# Altium PCB SLIU_648352_008.PcbDoc (part 4 of 4)
Units mm, origin at the board's own origin, x right, y up, seen from the top; angles counter-clockwise.
Board outline 200 x 140 mm, 5 copper layers (Top Layer, gnd, Case, PITANIE, Bottom Layer), stack 2.01 mm thick; 379 components, 284 nets, 1711 pads, 392 vias.
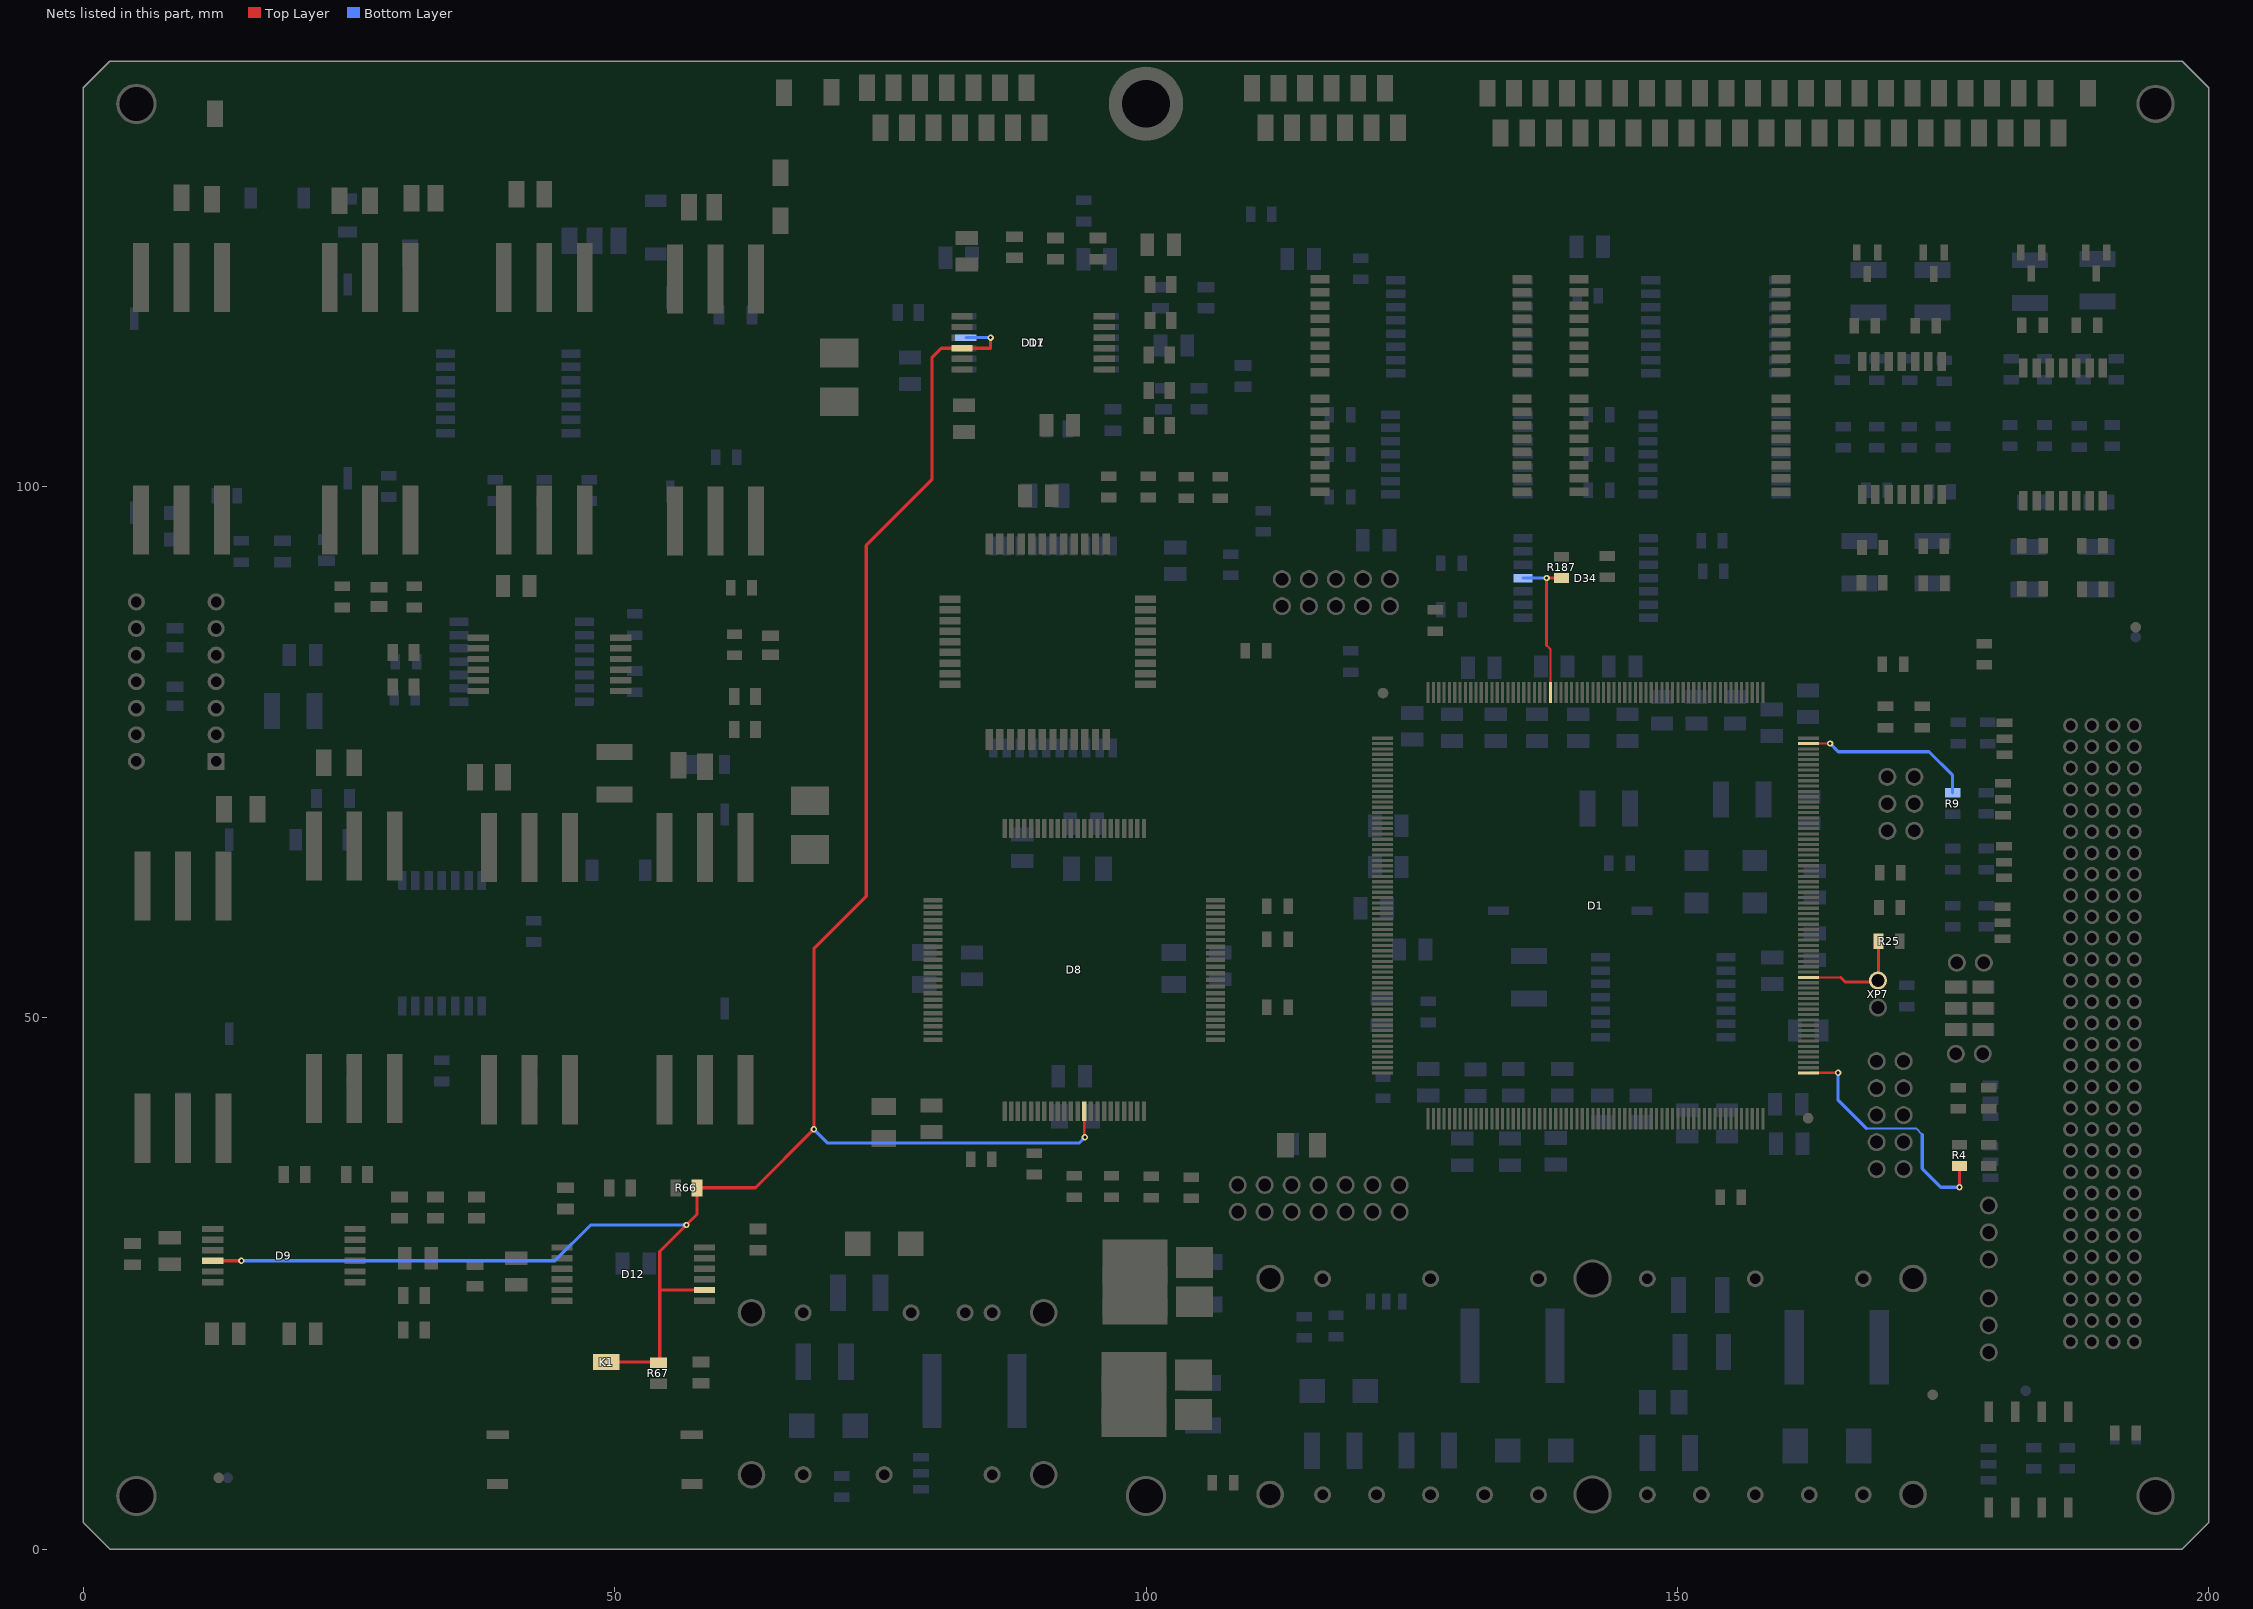
[diagram p7: the nets of this part, all layers, seen from the top]

## Via types
v1: diameter 0.6, hole 0.3, Top Layer to Bottom Layer, 392 vias

## Nets (pads, with @x,y where several pads share a name; then routed paths per layer and width w, separated by ;. In a path a pad name is that pad's centre, name@x,y a point inside that pad or via, vN(x,y) a via of type N, cw(c..) or ccw(c..) an arc to the next point about the centre after c; other vN are vias at no path point) (continued)
TSTO2: D1.105 D34.4 R187.1 | length 14.5
  Top Layer w0.2: 137.7,85.05 138.05,84.7 D1.105@138.05,80.6
  Top Layer w0.3: 137.7,85.05 v1(137.7,91.375) R187.1@139.1,91.375
  Bottom Layer w0.3: D34.4@135.475,91.375 137.4,91.375 v1(137.7,91.375)
TX1: D1.1 R4.2 | length 24.1
  Top Layer w0.2: D1.1@162.35,44.8 162.375,44.825 v1(165.125,44.825)
  Top Layer w0.3: v1(176.55,34.05) R4.2@176.55,36.05
  Bottom Layer w0.2: 167.78,39.585 172.465,39.585 173.05,39
  Bottom Layer w0.3: v1(165.125,44.825) 165.125,42.24 167.78,39.585 ; 173.05,39 173.05,35.8 174.8,34.05 v1(176.55,34.05)
TX2: D1.63 R9.2 | length 16.4
  Top Layer w0.2: D1.63@162.35,75.8 v1(164.375,75.8)
  Bottom Layer w0.3: v1(164.375,75.8) 165.15,75.025 173.675,75.025 175.9,72.8 R9.2@175.9,71.15
UPR1: D1.19 R25.1 XP7.2 | length 10.6
  Top Layer w0.2: D1.19@162.35,53.8 165.35,53.8
  Top Layer w0.3: 165.35,53.8 165.775,53.375 168.88,53.375 168.975,53.47 168.925,53.52 R25.1@168.925,57.2
VREF: D7.5 D8.13 D9.5 D11.5 D12.11 K1.1 R66.1 R67.1 | length 201.4
  Top Layer w0.2: D8.13@94.187,41.2 94.187,38.813 v1(94.25,38.75)
  Top Layer w0.3: D9.5@12.175,27.125 v1(14.875,27.125) ; K1.1@49.2,17.6 54.075,17.6 54.25,17.775 54.25,24.375 ; D12.11@58.45,24.375 54.25,24.375 ; v1(85.375,114) 85.375,113 D11.5@82.675,113 80.75,113 79.85,112.1 79.85,100.625 73.675,94.45 73.675,61.418 68.75,56.493 v1(68.75,39.5) 63.25,34 R66.1@57.75,34 57.75,31.5 54.25,28 54.25,24.375
  Bottom Layer w0.3: v1(14.875,27.125) 44.375,27.125 47.75,30.5 v1(56.75,30.5) ; v1(68.75,39.5) 70.05,38.2 93.7,38.2 v1(94.25,38.75) ; D7.5@83.05,114 v1(85.375,114)
pads on no net: D1.0 D1.2 D1.5 D1.6 D1.7 D1.8 D1.9 D1.10 D1.11 D1.12 D1.13 D1.14 D1.16 D1.17 D1.18 D1.20 D1.21 D1.22 D1.23 D1.24 D1.26 D1.27 D1.32 D1.34 D1.37 D1.38 D1.39 D1.40 D1.41 D1.43 D1.44 D1.46 D1.47 D1.48 D1.49 D1.50 D1.51 D1.55 D1.58 D1.59 D1.62 D1.69 D1.71 D1.78 D1.82 D1.83 D1.85 D1.86 D1.88 D1.89 D1.90 D1.93 D1.95 D1.100 D1.101 D1.102 D1.104 D1.107 D1.109 D1.110 D1.111 D1.112 D1.114 D1.116 D1.117 D1.122 D1.128 D1.130 D1.134 D1.135 D1.136 D1.140 D1.141 D1.143 D1.145 D1.147 D1.148 D1.149 D1.150 D1.152 D1.153 D1.154 D1.155 D1.159 D1.160 D1.161 D1.169 D1.170 D1.171 D1.178 D1.179 D1.181 D1.187 D1.192 D1.200 D1.202 D1.204 D1.205 D1.206 D1.207 D1.209 D1.210 D1.212 D1.214 D1.215 D1.216 D1.219 D1.220 D1.221 D1.224 D1.226 D1.227 D1.229 D1.230 D1.231 D1.232 D1.234 D1.235 D1.236 D1.239 D1.240 D1.241 D1.242 D1.244 D1.245 D1.246 D1.247 D1.250 D2.3 D2.4 D6.6 D6.8 D6.10 D6.12 D7.2 D7.7 D7.10 D7.15 D8.2 D8.5 D8.7 D8.9 D8.14 D8.16 D8.17 D8.19 D8.20 D8.22 D8.25 D8.30 D8.35 D8.39 D8.41 D8.42 D8.44 D8.54 D8.64 D8.70 D8.72 D8.73 D8.79 D8.81 D8.83 D8.84 D8.85 D8.87 D8.88 D9.2 D9.7 D9.10 D9.15 D10.17 D10.20 D10.26 D10.27 D11.2 D11.7 D11.10 D11.15 D12.2 D12.7 D12.10 D12.15 D13.4 D15.5 D16.2 D16.7 D16.10 D16.15 D17.1 D17.5 D17.7 D17.8 D17.12 D17.14 D18.8 D18.9 D18.10 D18.11 D18.13 D18.14 D19.3 D19.4 D20.3 D20.4 D21.1 D21.5 D21.7 D21.8 D21.12 D21.14 D22.1 D22.6 D23.1 D23.6 D24.3 D24.4 D25.3 D25.4 D26.1 D26.5 D26.7 D26.8 D26.12 D26.14 D27.1 D27.6 D28.1 D28.6 D29.1 D29.8 D30.1 D30.8 D34.1 D34.5 D34.7 D34.8 D34.12 D34.14 D35.7 D35.8 D35.9 D35.10 D36.1 D36.6 D36.7 D36.8 D36.9 D37.7 D37.8 D37.9 D37.10 D38.1 D38.6 D38.7 D38.8 D38.9 G1.1 N2.1 N3.17 N3.18 N3.19 N3.20 N3.21 N3.22 N3.23 N3.24 N3.25 N3.26 N3.27 N3.28 N3.29 N3.30 N3.31 N3.32 N3.33 N3.34 N3.35 N3.36 N3.37 N3.38 N3.39 N3.40 N3.41 T1.3 T1.4 T1.7 T1.8 T1.11 T1.12 T1.13 T1.14 T1.15 T1.16 T1.17 T1.18 T1.19 T1.20 T1.21 T1.22 T1.25 T1.26 T1.29 T1.30 T2.3 T2.4 T2.7 T2.8 T2.11 T2.12 T2.13 T2.14 T2.15 T2.16 T2.17 T2.18 T2.19 T2.20 T2.21 T2.22 T2.25 T2.26 T2.29 T2.30 XP6.6 XP6.7 XP6.8 XP8.3 XP8.4 XP8.9 XT1.2 XT1.4 XT1.6 XT1.8 XT1.11 XT1.22 XT1.24 XT1.26 XT1.32 XT1.34 XT1.36 XT1.38 XT1.41 XT1.52 XT1.54 XT1.56 XT1.62 XT1.64 XT1.66 XT1.68 XT1.71 XT1.82 XT1.84 XT1.86 XT1.92 XT1.94 XT1.96 XT1.98 XT1.101 XT1.112 XT1.114 XT1.116

## Polygon pours and split planes (outlines as drawn)
CASE on Top Layer "Top Layer-No Net" (solid, pour order 2): 9.5,140 2.5,140 0,137.5 0,2.5 2.5,0 197.5,0 200,2.5 200,137.5 197.5,140 191.25,140 191.25,132 192,131.25 197.25,131.25 198.5,130 198.5,10.5 197.25,9.25 192.25,9.25 190.75,7.75 190.75,4.75 187.5,1.5 106.25,1.5 104.25,3.5 104.25,7.75 102.75,9.25 96.75,9.25 95.25,7.75 95.25,3 93.5,1.5 10,1.5 8.75,2.75 8.75,7.75 7.25,9.25 3.75,9.25 2.5,10.25 2.5,129.75 4,131.25 7.75,131.25 9.5,133
CASE on Bottom Layer "Bottom Layer-No Net" (solid, pour order 6): 2.75,129.75 4.25,131.25 4.25,131.75 0,131.75 0,2.5 2.5,0 197.5,0 200,2.5 200,132 195.25,132 195.25,131.25 196.75,129.75 196.75,10.75 195.25,9.25 192.25,9.25 190.75,7.75 190.75,4.75 189.25,3.25 157.75,3.25 104.5,3.25 104.25,3.5 104.25,7.75 102.75,9.25 96.75,9.25 96.5,9 95.25,7.75 95.25,5 93.75,3.25 10.25,3.25 8.75,4.75 8.75,7.75 7.25,9.25 3.75,9.25 2.75,10 2.75,35.5
CASE on Bottom Layer "Bottom Layer-No Net 1" (solid, pour order 4): 200,131.25 200,137.5 197.5,140 2.5,140 0,137.5 0,131.25
M27V on gnd (split plane): 124.798,129.916 124.798,127.459 122.166,124.827 76,124.827 75.948,124.82 75.899,124.8 75.857,124.768 62.041,110.952 20.375,110.952 20.323,110.945 20.288,110.931 20.274,110.925 20.232,110.893 19.857,110.518 19.825,110.476 19.805,110.427 19.798,110.375 19.798,68.375 19.805,68.323 19.825,68.274 19.857,68.232 24.607,63.482 24.649,63.45 24.663,63.444 24.698,63.43 24.75,63.423 30.291,63.423 32.298,61.416 32.298,58.584 30.666,56.952 12.084,56.952 10.452,58.584 10.452,64.791 16.268,70.607 16.3,70.649 16.32,70.698 16.327,70.75 16.327,108.625 16.32,108.677 16.3,108.726 16.268,108.768 11.327,113.709 11.327,116.375 11.327,116.916 21.084,126.673 33.916,126.673 37.173,123.416 37.173,122.375 37.18,122.323 37.2,122.274 37.232,122.232 39.482,119.982 39.524,119.95 39.538,119.944 39.573,119.93 39.625,119.923 66,119.923 66.052,119.93 66.101,119.95 66.143,119.982 77.309,131.148 123.566,131.148
GND on gnd (split plane): 93.788,131.552 77.225,131.552 77.173,131.545 77.144,131.533 77.124,131.525 77.082,131.493 65.916,120.327 39.709,120.327 37.577,122.459 37.577,123.5 37.57,123.552 37.55,123.601 37.518,123.643 34.143,127.018 34.101,127.05 34.052,127.07 34,127.077 21,127.077 20.948,127.07 20.899,127.05 20.857,127.018 10.982,117.143 10.95,117.101 10.93,117.052 10.923,117 10.923,116.375 10.923,113.625 10.93,113.573 10.95,113.524 10.982,113.482 15.923,108.541 15.923,70.834 10.107,65.018 10.075,64.976 10.055,64.927 10.048,64.875 10.048,58.5 10.055,58.448 10.075,58.399 10.107,58.357 11.857,56.607 11.899,56.575 11.948,56.555 12,56.548 30.75,56.548 30.802,56.555 30.851,56.575 30.893,56.607 32.643,58.357 32.675,58.399 32.695,58.448 32.702,58.5 32.702,61.5 32.695,61.552 32.675,61.601 32.643,61.643 30.518,63.768 30.476,63.8 30.427,63.82 30.375,63.827 24.834,63.827 20.202,68.459 20.202,110.291 20.459,110.548 62.125,110.548 62.177,110.555 62.226,110.575 62.268,110.607 76.084,124.423 122.25,124.423 122.302,124.43 122.351,124.45 122.393,124.482 125.143,127.232 125.175,127.274 125.195,127.323 125.202,127.375 125.202,130 125.195,130.052 125.175,130.101 125.143,130.143 123.793,131.493 123.751,131.525 123.702,131.545 123.65,131.552 108.362,131.552 112.959,136.148 187.991,136.148 196.498,127.641 196.498,10.884 189.141,3.527 108.334,3.527 103.043,8.818 103.001,8.85 102.952,8.87 102.9,8.877 97.525,8.877 97.473,8.87 97.424,8.85 97.382,8.818 92.166,3.602 11.275,3.602 11.223,3.595 11.174,3.575 11.144,3.552 10.034,3.552 2.927,10.659 2.927,129.941 9.484,136.498 88.841,136.498
CASE on gnd (split plane): 199.999,137.499 199.999,2.501 197.499,0.001 2.501,0.001 0.001,2.501 0.001,137.499 2.501,139.999 197.499,139.999
CASE on Case (split plane): 199.999,137.499 199.999,2.501 197.499,0.001 2.501,0.001 0.001,2.501 0.001,137.499 2.501,139.999 197.499,139.999
+3V3 on PITANIE (split plane): 168 vertices, not listed, extent 32.152,18.202 187.623,122.648
+1V8 on PITANIE (split plane): 160.348,82.216 160.348,80.3 160.348,79.459 155.416,74.527 153.725,74.527 153.673,74.52 153.624,74.5 153.582,74.468 152.107,72.993 152.075,72.951 152.055,72.902 152.048,72.85 152.048,71.1 152.055,71.048 152.075,70.999 152.107,70.957 161.073,61.991 161.073,61.8 161.073,58.484 159.607,57.018 159.575,56.976 159.555,56.927 159.548,56.875 159.548,54.825 159.555,54.773 159.575,54.724 159.607,54.682 161.923,52.366 161.923,43.459 159.066,40.602 137.575,40.602 137.523,40.595 137.488,40.581 137.474,40.575 137.432,40.543 133.032,36.143 124.366,27.477 107.375,27.477 107.323,27.47 107.274,27.45 107.232,27.418 103.232,23.418 103.2,23.376 103.18,23.327 103.173,23.275 103.173,14.052 93.102,14.052 93.102,17.798 98.125,17.798 98.177,17.805 98.226,17.825 98.268,17.857 98.3,17.899 98.32,17.948 98.327,18 98.32,18.052 98.352,18.094 98.372,18.143 98.379,18.195 98.379,23.469 105.184,30.273 110.876,30.273 110.928,30.28 110.976,30.3 111.018,30.332 125.417,44.731 125.449,44.773 125.47,44.822 125.476,44.874 125.47,44.926 125.449,44.975 125.417,45.017 125.376,45.049 125.327,45.069 125.302,45.072 125.302,50.025 125.295,50.077 125.275,50.126 125.243,50.168 123.277,52.134 123.277,61.816 125.593,64.132 125.625,64.174 125.645,64.223 125.652,64.275 125.652,66.875 125.645,66.927 125.631,66.962 125.625,66.976 125.593,67.018 122.627,69.984 122.627,76.991 125.284,79.648 135.441,79.648 137.082,78.007 137.106,77.989 137.124,77.975 137.173,77.955 137.225,77.948 140.25,77.948 140.302,77.955 140.351,77.975 140.393,78.007 142.459,80.073 149.025,80.073 149.077,80.08 149.126,80.1 149.168,80.132 150.518,81.482 150.55,81.524 150.57,81.573 150.577,81.625 150.577,82.991 150.934,83.348 159.216,83.348
P12V on PITANIE (split plane): 25.22,88.595 25.262,88.563 25.31,88.543 25.362,88.536 55.123,88.536 55.123,83.909 35.941,64.727 21.927,64.727 21.875,64.72 21.826,64.7 21.785,64.668 21.107,63.99 21.075,63.949 21.055,63.9 21.048,63.848 21.048,57.625 21.048,35.075 21.055,35.023 21.075,34.974 21.107,34.932 36.307,19.732 36.349,19.7 36.398,19.68 36.45,19.673 69.8,19.673 69.852,19.68 69.901,19.7 69.943,19.732 72.718,22.507 72.75,22.549 72.77,22.598 72.777,22.65 72.777,23.748 78.341,23.748 85.113,16.977 29.434,16.977 9.102,37.309 9.102,67.016 11.734,69.648 33.225,69.648 33.277,69.655 33.326,69.675 33.368,69.707 41.768,78.107 41.8,78.149 41.82,78.198 41.827,78.25 41.827,84.275 41.82,84.327 41.8,84.376 41.768,84.418 41.726,84.45 41.677,84.47 41.625,84.477 39.4,84.477 39.348,84.47 39.299,84.45 39.257,84.418 29.166,74.327 24.802,74.327 24.802,81.3 24.795,81.352 24.775,81.401 24.743,81.443 22.493,83.693 22.451,83.725 22.402,83.745 22.35,83.752 20.675,83.752 20.623,83.745 20.574,83.725 20.532,83.693 14.241,77.402 10.784,77.402 10.552,77.634 10.552,88.716 13.859,92.023 21.791,92.023
+5V on PITANIE (split plane): 162.248,115.65 162.255,115.598 162.275,115.549 162.307,115.507 167.432,110.382 167.474,110.35 167.523,110.33 167.575,110.323 179.841,110.323 191.123,99.041 191.123,96.95 191.123,86.409 182.257,77.543 182.225,77.501 182.205,77.452 182.198,77.4 182.198,34.059 151.766,3.627 144.184,3.627 133.791,14.019 133.749,14.051 133.7,14.072 133.648,14.078 103.577,14.078 103.577,23.191 107.459,27.073 124.45,27.073 124.502,27.08 124.551,27.1 124.593,27.132 133.259,35.798 170.15,35.798 170.202,35.805 170.251,35.825 170.293,35.857 172.343,37.907 174.368,39.932 174.4,39.974 174.42,40.023 174.427,40.075 174.427,77.941 187.968,91.482 188,91.524 188.02,91.573 188.027,91.625 188.027,95.925 188.02,95.977 188,96.026 187.968,96.068 186.643,97.393 186.601,97.425 186.552,97.445 186.5,97.452 172.359,97.452 146.818,122.993 146.776,123.025 146.727,123.045 146.675,123.052 137.037,123.052 139.609,125.623 162.248,125.623
+15V on PITANIE (split plane): 107.823,104.441 107.823,102.902 90.075,102.902 90.023,102.895 89.974,102.875 89.932,102.843 73.382,86.293 73.35,86.251 73.33,86.202 73.323,86.15 73.323,51.884 70.716,49.277 34.925,49.277 34.873,49.27 34.824,49.25 34.782,49.218 31.807,46.243 31.775,46.201 31.755,46.152 31.748,46.1 31.748,45.975 31.748,42.1 31.755,42.048 31.775,41.999 31.807,41.957 34.657,39.107 34.699,39.075 34.748,39.055 34.8,39.048 71.566,39.048 92.698,17.916 92.698,13.85 92.705,13.798 92.725,13.749 92.757,13.707 92.799,13.675 92.848,13.655 92.9,13.648 103.375,13.648 103.427,13.655 103.475,13.675 122.023,13.675 122.023,3.684 115.976,3.684 109.343,10.318 109.301,10.35 109.252,10.37 109.2,10.377 92.284,10.377 85.743,16.918 78.568,24.093 78.526,24.125 78.477,24.145 78.425,24.152 55.625,24.152 55.588,24.147 52.377,27.359 52.377,28.85 52.37,28.902 52.35,28.951 52.318,28.993 51.668,29.643 51.626,29.675 51.577,29.695 51.525,29.702 35.884,29.702 34.299,31.286 31.011,34.574 29.377,36.209 29.377,48.016 34.784,53.423 56.35,53.423 56.402,53.43 56.451,53.45 56.493,53.482 68.593,65.582 68.625,65.624 68.645,65.673 68.652,65.725 68.652,88.866 92.584,112.798 99.466,112.798
P27V on PITANIE (split plane): 170 vertices, not listed, extent 2.777,20.077 136.348,136.198
M12V on PITANIE (split plane): 41.423,78.334 33.141,70.052 11.65,70.052 11.598,70.045 11.549,70.025 11.507,69.993 8.757,67.243 8.725,67.201 8.705,67.152 8.698,67.1 8.698,37.225 8.705,37.173 8.725,37.124 8.757,37.082 29.207,16.632 29.249,16.6 29.298,16.58 29.35,16.573 85.516,16.573 91.896,10.194 86.354,4.652 30.409,4.652 10.768,24.293 10.726,24.325 10.677,24.345 10.625,24.352 2.777,24.352 2.777,83.288 6.798,79.266 6.798,77.225 6.805,77.173 6.825,77.124 6.857,77.082 9.957,73.982 9.999,73.95 10.048,73.93 10.1,73.923 29.25,73.923 29.302,73.93 29.351,73.95 29.393,73.982 39.484,84.073 41.423,84.073
CASE on PITANIE (split plane): 199.999,137.499 199.999,2.501 197.499,0.001 2.501,0.001 0.001,2.501 0.001,137.499 2.501,139.999 197.499,139.999
-15V on PITANIE (split plane): 196.298,129.166 196.298,11.259 188.866,3.827 168.712,3.827 168.66,3.82 168.612,3.8 168.57,3.768 166.654,1.852 110.059,1.852 103.018,8.893 102.976,8.925 102.927,8.945 102.875,8.952 97,8.952 96.948,8.945 96.899,8.925 96.857,8.893 90.791,2.827 11.184,2.827 2.777,11.234 2.777,23.948 10.541,23.948 30.182,4.307 30.224,4.275 30.273,4.255 30.325,4.248 86.438,4.248 86.49,4.255 86.538,4.275 86.58,4.307 92.246,9.973 109.116,9.973 115.75,3.34 115.792,3.308 115.84,3.288 115.893,3.281 122.225,3.281 122.277,3.288 122.326,3.308 122.368,3.34 122.4,3.381 122.42,3.43 122.427,3.482 122.427,13.675 133.565,13.675 143.957,3.282 143.999,3.25 144.013,3.244 144.048,3.23 144.1,3.223 151.85,3.223 151.902,3.23 151.951,3.25 151.993,3.282 182.543,33.832 182.575,33.874 182.595,33.923 182.602,33.975 182.602,77.316 191.468,86.182 191.5,86.224 191.52,86.273 191.527,86.325 191.527,96.95 191.527,99.125 191.52,99.177 191.5,99.226 191.468,99.268 180.068,110.668 180.026,110.7 179.977,110.72 179.925,110.727 167.659,110.727 162.652,115.734 162.652,125.825 162.645,125.877 162.625,125.926 162.593,125.968 162.551,126 162.502,126.02 162.45,126.027 139.525,126.027 139.473,126.02 139.424,126 139.382,125.968 136.407,122.993 136.375,122.951 136.355,122.902 136.348,122.85 136.348,120.402 94.7,120.402 94.648,120.395 94.599,120.375 94.557,120.343 81.041,106.827 79.202,106.827 79.202,117.166 92.834,130.798 103.75,130.798 103.802,130.805 103.851,130.825 103.893,130.857 103.925,130.899 103.945,130.948 103.952,131 103.95,131.015 109.184,136.248 189.216,136.248

## Other copper
gnd (plane layer: these items are gaps in the copper):
  lines w0.4: 2.725,10.575 9.95,3.35 11.225,3.35 11.275,3.4 92.25,3.4 97.525,8.675 102.9,8.675 108.25,3.325 189.225,3.325 196.7,10.8 196.7,127.725 188.075,136.35 112.875,136.35 107.875,131.35 94.275,131.35 88.925,136.7 9.4,136.7 2.725,130.025 2.725,10.575 ; 10.25,58.5 10.25,64.875 16.125,70.75 16.125,108.625 11.125,113.625 11.125,116.375 11.125,117 21,126.875 34,126.875 37.375,123.5 37.375,122.375 39.625,120.125 66,120.125 77.225,131.35 123.65,131.35 125,130 125,127.375 122.25,124.625 76,124.625 62.125,110.75 20.375,110.75 20,110.375 20,68.375 24.75,63.625 30.375,63.625 32.5,61.5 32.5,58.5 30.75,56.75 12,56.75 10.25,58.5
PITANIE (plane layer: these items are gaps in the copper):
  lines w0.4: 2.45,24.15 10.625,24.15 30.325,4.45 86.438,4.45 92.163,10.175 109.2,10.175 115.893,3.482 122.225,3.482 122.225,13.85 ; 2.575,80.65 2.575,83.775 7.025,79.325 ; 2.8,129.85 9.35,136.4 92.1,136.4 97.45,131.05 103.7,131.05 109.1,136.45 189.3,136.45 196.5,129.25 196.5,11.175 188.95,3.625 168.712,3.625 166.737,1.65 157.306,1.65 139.644,1.65 129.612,1.65 109.975,1.65 102.875,8.75 97,8.75 90.875,2.625 11.1,2.625 2.575,11.15 2.575,129.575 3.05,130.05 ; 7,79.3 7,77.225 10.1,74.125 29.25,74.125 39.4,84.275 41.625,84.275 41.625,78.25 33.225,69.85 11.65,69.85 8.9,67.1 8.9,37.225 29.35,16.775 32.55,16.775 ; 24.6,74.225 24.6,81.3 22.35,83.55 20.675,83.55 14.325,77.2 10.7,77.2 10.35,77.55 10.35,88.8 13.775,92.225 21.875,92.225 25.362,88.737 55.325,88.737 ; 32.375,16.775 85.6,16.775 ; 55.325,88.536 55.325,83.825 36.025,64.525 29.125,64.525 21.927,64.525 21.25,63.848 21.25,57.625 21.25,35.075 36.45,19.875 69.8,19.875 72.575,22.65 72.575,23.95 ; 55.625,23.95 78.425,23.95 92.163,10.212 ; 98.125,18 92.9,18 ; 98.177,18.195 98.177,23.552 105.1,30.475 110.876,30.475 125.275,44.874 ; 103.373,13.877 133.648,13.877 144.1,3.425 150.175,3.425 151.85,3.425 182.4,33.975 182.4,77.4 191.325,86.325 191.325,96.95 191.325,99.125 179.925,110.525 167.575,110.525 162.45,115.65 162.45,125.825 139.525,125.825 136.55,122.85 ; 103.425,120.2 136.55,120.2 94.7,120.2 81.125,106.625 79,106.625 79,106.75 79,117.25 92.75,131 103.75,131 ; 109.175,136.45 127,136.45 109.2,136.45 ; 125.1,44.975 125.1,50.025 123.075,52.05 123.075,61.9 125.45,64.275 125.45,66.875 122.425,69.9 122.425,77.075 125.2,79.85 135.525,79.85 137.225,78.15 140.25,78.15 142.375,80.275 149.025,80.275 150.375,81.625 150.375,83.075 150.85,83.55 159.3,83.55 160.55,82.3 160.55,80.3 160.55,79.375 155.5,74.325 153.725,74.325 152.25,72.85 152.25,71.1 161.275,62.075 ; 136.55,86.6 130.875,86.6 124.5,92.975 124.45,93.025 117.7,93.025 108.025,102.7 ; 136.55,86.625 136.55,122.85 ; 161.275,61.8 161.275,62.075 ; 55.562,23.888 55.562,23.888 ; 55.562,23.888 52.175,27.275 52.175,28.85 51.525,29.5 35.8,29.5 34.156,31.144 30.869,34.431 29.175,36.125 29.175,48.1 34.7,53.625 56.35,53.625 68.45,65.725 68.45,88.95 92.5,113 99.55,113 108.025,104.525 108.025,102.7 ; 92.9,18 71.65,39.25 34.8,39.25 31.95,42.1 31.95,45.975 31.95,46.1 34.925,49.075 70.8,49.075 73.525,51.8 73.525,86.15 90.075,102.7 108.025,102.7 ; 92.9,18 92.9,13.85 103.375,13.85 103.375,23.275 107.375,27.275 124.45,27.275 133.175,36 ; 133.175,36 170.15,36 172.2,38.05 174.225,40.075 174.225,78.025 187.825,91.625 187.825,95.925 186.5,97.25 172.275,97.25 146.675,122.85 136.55,122.85 ; 133.175,36 137.575,40.4 159.15,40.4 162.125,43.375 162.125,52.45 159.75,54.825 159.75,56.875 161.275,58.4 161.275,62.075

## Silkscreen, mask and mechanical layers (free items; w line width, h text height)
Top Overlay, Top Silk:
  text "10" at 142.75,130 h1.3
  text "20" at 154.875,130 h1.3
  text "30" at 167.375,129.75 h1.3
  text "СЛИЮ.648352.008 009 V01" at 197.5,18.425 h3 r90
Bottom Solder, Bot Mask:
  region: 196.75,129.75 196.75,10.75 195.25,9.25 192.25,9.25 190.75,7.75 190.75,4.75 189.25,3.25 104.5,3.25 104.25,3.5 104.25,7.75 102.75,9.25 96.75,9.25 95.25,7.75 95.25,5 93.75,3.25 10.25,3.25 8.75,4.75 8.75,7.75 7.25,9.25 3.75,9.25 2.75,10.25 2.75,34.25 2.75,129.75 4,131 0,131 0,2.5 2.5,0 197.5,0 200,2.5 200,131 195.5,131
  region: 2.5,140 0,137.5 0,131 200,131 200,137.5 197.5,140
Mechanical 1:
  lines w0.2: 0.025,2.525 0.025,137.525 2.525,140.025 197.525,140.025 200.025,137.525 200.025,2.525 197.525,0.025 2.525,0.025 0.025,2.525
Mechanical 3:
  lines w0.1: 1,5 9,5 ; 1,136 9,136 ; 5,1 5,9 ; 5,132 5,140 ; 96,5 104,5 ; 96,136 104,136 ; 100,1 100,9 ; 100,132 100,140 ; 191,5 199,5 ; 191,136 199,136 ; 195,1 195,9 ; 195,132 195,140
Mechanical 5:
  lines w1: 62.875,7 90.375,7 ; 62.875,22.25 90.375,22.25 ; 111.675,5.14 172.175,5.14 ; 111.675,25.46 172.175,25.46
Mechanical 6:
  lines w1: 62.875,7 62.875,22.5 ; 90.375,7 90.375,22.25 ; 111.675,5.14 111.675,25.46 ; 142.025,5.14 142.025,25.46 ; 172.175,5.14 172.175,25.46
Mechanical 9:
  drawing of 377 lines, arcs and shapes, not listed
  text "СЛИЮ.687282.064СБ" at -32.375,167.125 h3.5 r180
  text "А(3)" at 246.875,45.988 h5
  text "Б" at 142.875,30.875 h5
  text "Чк Нк" at 30.125,-3.75 h5 r324.1
  text "Кк" at 47.061,-4.418 h5 r310.6
  text "1" at 183,-4.625 h4
  text "95" at 79.25,-5.25 h3.5
  text "п.6" at 92.833,-6.483 h4
  text "97" at 141.5,-6.625 h3.5
  text "93" at 167.375,-6.625 h3.5
  text "187" at 79.75,-8.75 h3.5
  text "в четырех местах" at 89.627,-9.89 h4
  text "187" at 142,-10.125 h3.5
  text "187" at 167.875,-10.125 h3.5
  text "п.18" at 37.692,-14.98 h4
  text "п.18" at 48.33,-16.471 h4
  text "Б(4:1)" at 44.25,-44.25 h4
  text "36,36max*" at 42.973,-52.129 h3
  text "1min**" at 94.301,-52.408 h3
  text "3,1**" at 8.089,-59.641 h3 r90
  text "R0,3**" at 97.085,-61.259 h3
  text "7**" at 1.42,-79.815 h3 r325.63
  text "41,4**" at 46.53,-89.634 h3
  text "СЛИЮ.687282.064СБ" at 293.5,-120.75 h4
  text "2" at 340.125,-121.375 h3.5
Mechanical 10:
  circle w0.1: c146,135.875 r0.1
  lines w0.15: 146,135.875 157.625,153 164.25,153 ; 195.78,17.925 216.428,-17.323 227,-17.323
  lines w0.2: 187.287,-63.412 187.5,-63.412 ; 212.606,-13.425 215.195,-11.909 ; 213.554,-14.662 213.892,-12.749 216.143,-13.146 ; 195.78,17.925 196.793,15.479 196.961,15.879 197.391,15.824 195.78,17.925
  text "СЛИЮ.687282.064СБ" at 279.625,192.625 h3.5 r180
  text "B" at 161.75,153.875 h4
  text "А(2)" at 96.125,153 h5
  text "п.15" at 225.75,-16.375 h4
  text "СЛИЮ.687282.064СБ" at -44.25,-95.125 h4
  text "3" at -93.125,-96.375 h3.5
  text "4" at 341.625,-121.25 h3.5
Mechanical 11:
  lines w0.15: -74.85,-124.975 345.65,-124.975 345.65,172.025 -74.85,172.025 -74.85,-124.975
  lines w0.2: -35.375,-0.25 -33.375,-0.25 -33.375,139.75 ; -35.375,9.75 -33.375,9.75 ; -35.375,19.75 -33.375,19.75 -34.375,19.75 ; -35.375,29.75 -33.375,29.75 -34.375,29.75 ; -35.375,39.75 -33.375,39.75 -34.375,39.75 ; -35.375,49.75 -33.375,49.75 ; -35.375,59.75 -33.375,59.75 -34.375,59.75 ; -35.375,69.75 -33.375,69.75 -34.375,69.75 ; -35.375,79.75 -33.375,79.75 -34.375,79.75 ; -35.375,89.75 -33.375,89.75 -34.375,89.75 ; -35.375,109.75 -33.375,109.75 -34.375,109.75 ; -35.375,119.75 -33.375,119.75 ; -35.375,129.75 -33.375,129.75 ; -35.375,139.75 -33.375,139.75 ; -34.375,4.75 -33.375,4.75 ; -34.375,14.75 -33.375,14.75 ; -34.375,24.75 -33.375,24.75 ; -34.375,34.75 -33.375,34.75 ; -34.375,44.75 -33.375,44.75 ; -34.375,54.75 -33.375,54.75 ; -34.375,64.75 -33.375,64.75 ; -34.375,74.75 -33.375,74.75 ; -34.375,84.75 -33.375,84.75 ; -34.375,94.75 -33.375,94.75 ; -34.375,99.75 -33.375,99.75 ; -34.375,104.75 -33.375,104.75 ; -34.375,114.75 -33.375,114.75 ; -34.375,124.75 -33.375,124.75 ; -34.375,134.75 -33.375,134.75 ; -34.375,139.75 -33.375,139.75 ; 0,-24.25 0,-22.25 200,-22.25 ; 5,-23.25 5,-22.25 ; 10,-24.25 10,-22.25 ; 10,-23.1 10,-22.25 ; 11,-22.25 10,-22.25 ; 15,-23.25 15,-22.25 ; 20,-24.25 20,-22.25 20,-23.1 ; 25,-23.25 25,-22.25 ; 30,-24.25 30,-22.25 30,-23.1 ; 35,-23.25 35,-22.25 ; 40,-24.25 40,-22.25 40,-23.1 ; 45,-23.25 45,-22.25 ; 50,-24.25 50,-22.25 50,-23.1 ; 55,-23.25 55,-22.25 ; 59.862,-24.4 59.862,-22.4 59.862,-23.4 ; 65,-23.25 65,-22.25 ; 70,-24.25 70,-22.25 70,-23.1 ; 75,-23.25 75,-22.25 ; 80,-24.25 80,-22.25 80,-23.1 ; 85,-23.25 85,-22.25 ; 90,-24.25 90,-22.25 90,-23.1 ; 95,-23.25 95,-22.25 ; 100,-24.25 100,-22.25 100,-23.1 ; 105,-23.25 105,-22.25 ; 110,-24.25 110,-22.25 110,-23.1 ; 115,-23.25 115,-22.25 ; 120,-24.25 120,-22.25 120,-23.1 ; 125,-23.25 125,-22.25 ; 130,-24.25 130,-22.25 130,-23.1 ; 135,-23.25 135,-22.25 ; 140,-24.25 140,-22.25 140,-23.1 ; 145,-23.25 145,-22.25 ; 150,-24.25 150,-22.25 150,-23.1 ; 155,-23.25 155,-22.25 ; 160,-24.25 160,-22.25 160,-23.1 ; 165,-23.25 165,-22.25 ; 170,-24.25 170,-22.25 170,-23.1 ; 175,-23.25 175,-22.25 ; 180,-24.25 180,-22.25 180,-23.1 ; 185,-23.25 185,-22.25 ; 190,-24.25 190,-22.25 190,-23.1 ; 195,-23.25 195,-22.25 ; 200,-24.25 200,-22.25 ; 200,-23.25 200,-22.25
  lines w0.3: -70.85,-109.975 -64.85,-109.975 ; -70.85,-92.475 -64.85,-92.475 ; -70.85,-79.975 -64.85,-79.975 ; -70.85,-67.475 -64.85,-67.475 ; -64.85,-49.975 -68.35,-49.975 ; -64.85,162.375 -29.85,162.375 -29.85,169.525 ; 250.65,-122.475 250.65,-114.975 343.15,-114.975 ; 250.65,-119.975 283.15,-119.975 ; 250.65,-117.475 283.15,-117.475 ; 254.15,-122.475 254.15,-114.975 ; 259.15,-122.475 259.15,-114.975 ; 270.65,-122.475 270.65,-114.975 ; 278.15,-122.475 278.15,-114.975 ; 283.15,-122.475 283.15,-114.975 ; 338.15,-122.475 338.15,-114.975 ; 338.15,-118.625 343.15,-118.625 ; -68.35,-122.475 -68.35,-49.975 ; -68.35,-122.475 -64.85,-122.475 ; -68.35,-122.475 -70.85,-122.475 -70.85,-49.975 -68.35,-49.975 ; -64.85,-122.475 343.15,-122.475 ; -64.85,-122.475 -64.85,169.525 343.15,169.525 343.15,-122.475 ; 343.15,-122.475 343.15,-114.975 ; 343.15,-122.475 343.15,-114.975
  text "140" at -39.375,138.75 h2
  text "130" at -39.375,127.75 h2
  text "120" at -39.375,118.75 h2
  text "110" at -39.375,108.75 h2
  text "100" at -39.375,98.75 h2
  text "90" at -39.375,88.75 h2
  text "80" at -39.375,78.75 h2
  text "70" at -39.375,68.75 h2
  text "60" at -39.375,58.75 h2
  text "50" at -39.375,48.75 h2
  text "40" at -39.375,38.75 h2
  text "30" at -39.375,28.75 h2
  text "20" at -39.377,18.75 h2
  text "10" at -39.375,8.75 h2
  text "0" at -39.375,-1.25 h2
  text "0" at -1,-26.25 h2
  text "10" at 9,-26.25 h2
  text "20" at 19,-26.25 h2
  text "30" at 29,-26.25 h2
  text "40" at 39,-26.25 h2
  text "50" at 49,-26.25 h2
  text "60" at 59,-26.25 h2
  text "70" at 69,-26.25 h2
  text "80" at 79,-26.25 h2
  text "90" at 89,-26.25 h2
  text "100" at 98,-26.25 h2
  text "110" at 109,-26.25 h2
  text "120" at 118,-26.25 h2
  text "130" at 129,-26.25 h2
  text "140" at 139,-26.25 h2
  text "150" at 149,-26.25 h2
  text "160" at 159,-26.25 h2
  text "170" at 169,-26.25 h2
  text "180" at 179,-26.25 h2
  text "190" at 189,-26.25 h2
  text "200" at 199,-26.25 h2
  text "Подп. и дата" at -69.2,-63.425 h1.6 r90
  text "Инв. № дубл." at -69.2,-78.125 h1.6 r90
  text "Взам. инв. №" at -69.2,-90.725 h1.6 r90
  text "Подп. и дата" at -69.2,-105.225 h1.6 r90
  text "Лист" at 339.2,-117.125 h1.6
  text "Инв. № подл." at -69.2,-120.625 h1.6 r90
  text "Изм." at 251,-121.925 h1.6
  text "Лист" at 254.8,-121.925 h1.6
  text "№ докум." at 261.5,-121.925 h1.6
  text "Подл." at 272.9,-121.925 h1.6
  text "Дата" at 279.1,-121.925 h1.6
Mechanical 12:
  lines w0.15: -98.975,-99.85 321.525,-99.85 321.525,197.15 -98.975,197.15 -98.975,-99.85
  lines w0.2: -22,0 -20,0 -20,140 ; -22,10 -20,10 ; -22,20 -20,20 -21,20 ; -22,30 -20,30 -21,30 ; -22,40 -20,40 -21,40 ; -22,50 -20,50 ; -22,60 -20,60 -21,60 ; -22,70 -20,70 -21,70 ; -22,80 -20,80 -21,80 ; -22,90 -20,90 -21,90 ; -22,110 -20,110 -21,110 ; -22,120 -20,120 ; -22,130 -20,130 ; -22,140 -20,140 ; -21,5 -20,5 ; -21,15 -20,15 ; -21,25 -20,25 ; -21,35 -20,35 ; -21,45 -20,45 ; -21,55 -20,55 ; -21,65 -20,65 ; -21,75 -20,75 ; -21,85 -20,85 ; -21,95 -20,95 ; -21,100 -20,100 ; -21,105 -20,105 ; -21,115 -20,115 ; -21,125 -20,125 ; -21,135 -20,135 ; -21,140 -20,140 ; 0,-22 0,-20 200,-20 ; 5,-21 5,-20 ; 10,-22 10,-20 ; 10,-20.85 10,-20 ; 11,-20 10,-20 ; 15,-21 15,-20 ; 20,-22 20,-20 20,-20.85 ; 25,-21 25,-20 ; 30,-22 30,-20 30,-20.85 ; 35,-21 35,-20 ; 40,-22 40,-20 40,-20.85 ; 45,-21 45,-20 ; 50,-22 50,-20 50,-20.85 ; 55,-21 55,-20 ; 59.862,-22.15 59.862,-20.15 59.862,-21.15 ; 65,-21 65,-20 ; 70,-22 70,-20 70,-20.85 ; 75,-21 75,-20 ; 80,-22 80,-20 80,-20.85 ; 85,-21 85,-20 ; 90,-22 90,-20 90,-20.85 ; 95,-21 95,-20 ; 100,-22 100,-20 100,-20.85 ; 105,-21 105,-20 ; 110,-22 110,-20 110,-20.85 ; 115,-21 115,-20 ; 120,-22 120,-20 120,-20.85 ; 125,-21 125,-20 ; 130,-22 130,-20 130,-20.85 ; 135,-21 135,-20 ; 140,-22 140,-20 140,-20.85 ; 145,-21 145,-20 ; 150,-22 150,-20 150,-20.85 ; 155,-21 155,-20 ; 160,-22 160,-20 160,-20.85 ; 165,-21 165,-20 ; 170,-22 170,-20 170,-20.85 ; 175,-21 175,-20 ; 180,-22 180,-20 180,-20.85 ; 185,-21 185,-20 ; 190,-22 190,-20 190,-20.85 ; 195,-21 195,-20 ; 200,-22 200,-20 ; 200,-21 200,-20
  lines w0.3: -96.475,-93.5 -91.475,-93.5 ; -91.475,-97.35 -91.475,-89.85 ; -36.475,-97.35 -36.475,-89.85 ; -36.475,-94.85 -3.975,-94.85 ; -36.475,-92.35 -3.975,-92.35 ; -31.475,-97.35 -31.475,-89.85 ; -23.975,-97.35 -23.975,-89.85 ; -12.475,-97.35 -12.475,-89.85 ; -7.475,-97.35 -7.475,-89.85 ; -3.975,-97.35 -3.975,-89.85 -96.475,-89.85 ; 276.525,194.65 276.525,187.5 311.525,187.5 ; 311.525,-84.85 317.525,-84.85 ; 311.525,-67.35 317.525,-67.35 ; 311.525,-54.85 317.525,-54.85 ; 311.525,-42.35 317.525,-42.35 ; 311.525,-24.85 315.025,-24.85 ; -96.475,-97.35 -96.475,-89.85 ; -96.475,-97.35 -96.475,-89.85 ; -96.475,-97.35 -96.475,194.65 311.525,194.65 311.525,-97.35 ; -96.475,-97.35 311.525,-97.35 ; 311.525,-97.35 315.025,-97.35 ; 315.025,-97.35 315.025,-24.85 ; 315.025,-97.35 317.525,-97.35 317.525,-24.85 315.025,-24.85
  text "140" at -23,139 h2
  text "130" at -23,128 h2
  text "120" at -23,119 h2
  text "110" at -23,109 h2
  text "100" at -23,99 h2
  text "90" at -23,89 h2
  text "80" at -23,79 h2
  text "70" at -23,69 h2
  text "60" at -23,59 h2
  text "50" at -23,49 h2
  text "40" at -23,39 h2
  text "30" at -23,29 h2
  text "20" at -23.002,19 h2
  text "10" at -23,9 h2
  text "0" at -23,-1 h2
  text "0" at 1,-24 h2
  text "10" at 11,-24 h2
  text "20" at 21,-24 h2
  text "30" at 31,-24 h2
  text "40" at 41,-24 h2
  text "50" at 51,-24 h2
  text "60" at 61,-24 h2
  text "70" at 71,-24 h2
  text "80" at 81,-24 h2
  text "90" at 91,-24 h2
  text "100" at 100,-24 h2
  text "110" at 111,-24 h2
  text "120" at 120,-24 h2
  text "130" at 131,-24 h2
  text "140" at 141,-24 h2
  text "150" at 151,-24 h2
  text "160" at 161,-24 h2
  text "170" at 171,-24 h2
  text "180" at 181,-24 h2
  text "190" at 191,-24 h2
  text "200" at 201,-24 h2
  text "Подп. и дата" at 315.875,-38.3 h1.6 r270
  text "Инв. № дубл." at 315.875,-53 h1.6 r270
  text "Взам. инв. №" at 315.875,-65.6 h1.6 r270
  text "Подп. и дата" at 315.875,-80.1 h1.6 r270
  text "Лист" at -92.525,-92 h1.6
  text "Инв. № подл." at 315.875,-95.5 h1.6 r270
  text "Дата" at -32.425,-96.8 h1.6
  text "Подл." at -26.225,-96.8 h1.6
  text "№ докум." at -14.825,-96.8 h1.6
  text "Лист" at -8.125,-96.8 h1.6
  text "Изм." at -4.325,-96.8 h1.6
Mechanical 13:
  text "СЛИЮ.687264.018СБ" at -32.25,167.75 h3.5 r180
  text "СЛИЮ.687264.018СБ" at 294.25,-120 h4
Mechanical 14:
  text "СЛИЮ.687264.018СБ" at 279,192.125 h3.5 r180
  text "СЛИЮ.687264.018СБ" at -46.75,-95 h4
Mechanical 15:
  drawing of 612 lines, arcs and shapes, not listed
  text "К(10)" at 594.775,402.484 h4
  text "К" at 595.025,319.874 h4
  text "4 фаски" at -8.379,142.625 h2.5 r90
  text "Б (4)" at 278.7,92.7 h3.5
  text "А (3)" at 257.2,91.95 h3.5
  text "Г (6)" at 278.4,87.3 h3.5
  text "В(5)" at 258.25,86.75 h3.5
  text "К(10)" at 278.65,76.107 h3.5
  text "Л(11)" at 257.15,75.357 h3.5
  text "Д" at 294.75,22 h3.5
  text "Д (40:1)" at 202.25,-30.375 h4
  text "Ж(8)" at 187.125,-38.125 h4
  text "И(9)" at 215.375,-38.266 h4
  text "Е(7)" at 226.625,-38.625 h4
  text "7" at 169.9,-65 h3.5
  text "5" at 168.9,-73.25 h3.5
  text "3" at 247.875,-79.25 h3.5
  text "1" at 169.073,-81.22 h3.5
  text "1" at 247.125,-90 h3.5
  text "И" at 215.5,-113 h4
  text "Ж" at 189.625,-114.625 h4
  text "Е" at 227,-116.25 h4
  text "2" at 340,-121.625 h4
Mechanical 16:
  text "А(2)" at 101.125,152.75 h4
  text "3" at -93.25,-96.5 h3.5
Drill Drawing:
  lines w0.254: 314.374,464.618 314.797,464.618 315.22,464.195 315.644,464.618 316.067,464.618 315.644,465.042 316.067,465.465 315.644,465.465 315.22,465.888 314.797,465.465 314.374,465.465 314.797,465.042 314.374,464.618 ; 314.374,468.005 316.067,468.005 316.067,469.698 314.374,469.698 314.374,468.005 ; 314.374,473.508 316.067,473.508 315.22,471.815 314.374,473.508 ; 314.374,475.625 315.22,476.048 316.067,475.625 315.644,476.472 316.067,477.318 315.22,476.895 314.374,477.318 314.797,476.472 314.374,475.625 ; 314.374,479.858 314.797,479.858 315.22,479.435 315.644,479.858 316.067,479.858 315.644,480.282 316.067,480.705 315.644,480.705 315.22,481.128 314.797,480.705 314.374,480.705 314.797,480.282 314.374,479.858 ; 314.374,483.245 314.374,483.668 314.797,484.092 314.374,484.515 314.374,484.938 314.797,484.938 315.22,484.515 315.644,484.938 316.067,484.938 316.067,484.515 315.644,484.092 316.067,483.668 316.067,483.245 315.644,483.245 315.22,483.668 314.797,483.245 314.374,483.245 ; 314.374,487.478 314.797,487.478 314.797,487.055 315.644,487.055 315.644,487.478 316.067,487.478 316.067,488.325 315.644,488.325 315.644,488.748 314.797,488.748 314.797,488.325 314.374,488.325 314.374,487.478 ; 314.712,464.788 314.966,464.788 315.22,464.534 315.474,464.788 315.728,464.788 315.474,465.042 315.728,465.296 315.474,465.296 315.22,465.55 314.966,465.296 314.712,465.296 314.966,465.042 314.712,464.788 ; 314.712,468.344 315.728,468.344 315.728,469.36 314.712,469.36 314.712,468.344 ; 314.712,473.17 315.728,473.17 315.22,472.154 314.712,473.17 ; 314.712,483.584 314.712,483.838 314.966,484.092 314.712,484.346 314.712,484.6 314.966,484.6 315.22,484.346 315.474,484.6 315.728,484.6 315.728,484.346 315.474,484.092 315.728,483.838 315.728,483.584 315.474,483.584 315.22,483.838 314.966,483.584 314.712,483.584 ; 314.712,487.648 314.966,487.648 314.966,487.394 315.474,487.394 315.474,487.648 315.728,487.648 315.728,488.156 315.474,488.156 315.474,488.41 314.966,488.41 314.966,488.156 314.712,488.156 314.712,487.648
  lines w0.381: 312.855,463.052 496.244,463.052 ; 312.855,493.532 496.244,493.532 ; 326.847,459.242 326.847,497.342 ; 341.829,459.242 341.829,497.342 ; 371.031,459.242 371.031,497.342 ; 383.88,459.242 383.88,497.342 ; 402.518,459.242 402.518,497.342 ; 440.607,459.242 440.607,497.342 ; 455.589,459.242 455.589,497.342 ; 474.532,459.242 474.532,497.342 ; 312.855,459.242 496.244,459.242 496.244,497.342 312.855,497.342 312.855,459.242
  text "Symbol" at 315.141,494.675 h1.83
  text "Count" at 327.99,494.675 h1.83
  text "Hole Size" at 342.972,494.675 h1.83
  text "Plated" at 372.174,494.675 h1.83
  text "Hole Type" at 385.023,494.675 h1.83
  text "Drill Layer Pair" at 403.661,494.675 h1.83
  text "Via/Pad" at 441.75,494.675 h1.83
  text "Pad Shape" at 456.732,494.675 h1.83
  text "Technology" at 475.675,494.675 h1.83
  text "392" at 327.99,490.865 h1.52
  text "0.300mm (11.81mil)" at 342.972,490.865 h1.52
  text "PTH" at 372.174,490.865 h1.52
  text "Round" at 385.023,490.865 h1.52
  text "Top Layer - Bottom Layer" at 403.661,490.865 h1.52
  text "Via" at 441.75,490.865 h1.52
  text "Rounded" at 456.732,490.865 h1.52
  text "v60h30" at 475.675,490.865 h1.52
  text "A" at 314.402,490.611 h1.69
  text "120" at 327.99,487.055 h1.52
  text "0.900mm (35.43mil)" at 342.972,487.055 h1.52
  text "PTH" at 372.174,487.055 h1.52
  text "Round" at 385.023,487.055 h1.52
  text "Top Layer - Bottom Layer" at 403.661,487.055 h1.52
  text "Pad" at 441.75,487.055 h1.52
  text "Rounded" at 456.732,487.055 h1.52
  text "c140h90" at 475.675,487.055 h1.52
  text "37" at 327.99,483.245 h1.52
  text "1.000mm (39.37mil)" at 342.972,483.245 h1.52
  text "PTH" at 372.174,483.245 h1.52
  text "Round" at 385.023,483.245 h1.52
  text "Top Layer - Bottom Layer" at 403.661,483.245 h1.52
  text "Pad" at 441.75,483.245 h1.52
  text "(Mixed)" at 456.732,483.245 h1.52
  text "(Mixed)" at 475.675,483.245 h1.52
  text "52" at 327.99,479.435 h1.52
  text "1.200mm (47.24mil)" at 342.972,479.435 h1.52
  text "PTH" at 372.174,479.435 h1.52
  text "Round" at 385.023,479.435 h1.52
  text "Top Layer - Bottom Layer" at 403.661,479.435 h1.52
  text "Pad" at 441.75,479.435 h1.52
  text "Rounded" at 456.732,479.435 h1.52
  text "c170h120" at 475.675,479.435 h1.52
  text "8" at 327.99,475.625 h1.52
  text "2.000mm (78.74mil)" at 342.972,475.625 h1.52
  text "PTH" at 372.174,475.625 h1.52
  text "Round" at 385.023,475.625 h1.52
  text "Top Layer - Bottom Layer" at 403.661,475.625 h1.52
  text "Pad" at 441.75,475.625 h1.52
  text "Rounded" at 456.732,475.625 h1.52
  text "c260h200m275" at 475.675,475.625 h1.52
  text "4" at 327.99,471.815 h1.52
  text "3.000mm (118.11mil)" at 342.972,471.815 h1.52
  text "PTH" at 372.174,471.815 h1.52
  text "Round" at 385.023,471.815 h1.52
  text "Top Layer - Bottom Layer" at 403.661,471.815 h1.52
  text "Pad" at 441.75,471.815 h1.52
  text "Rounded" at 456.732,471.815 h1.52
  text "(Mixed)" at 475.675,471.815 h1.52
  text "3" at 327.99,468.005 h1.52
  text "3.200mm (125.98mil)" at 342.972,468.005 h1.52
  text "PTH" at 372.174,468.005 h1.52
  text "Round" at 385.023,468.005 h1.52
  text "Top Layer - Bottom Layer" at 403.661,468.005 h1.52
  text "Pad" at 441.75,468.005 h1.52
  text "Rounded" at 456.732,468.005 h1.52
  text "c380h320" at 475.675,468.005 h1.52
  text "1" at 327.99,464.195 h1.52
  text "4.500mm (177.17mil)" at 342.972,464.195 h1.52
  text "PTH" at 372.174,464.195 h1.52
  text "Round" at 385.023,464.195 h1.52
  text "Top Layer - Bottom Layer" at 403.661,464.195 h1.52
  text "Pad" at 441.75,464.195 h1.52
  text "Rounded" at 456.732,464.195 h1.52
  text "c700h450" at 475.675,464.195 h1.52
  text "617 Total" at 327.99,460.385 h1.52
Mechanical 17:
  text "Б(2)" at 95,151.875 h4
  text "4" at 339.75,-121.75 h3.5
Mechanical 18:
  text "В(2)" at 101,151.25 h4
  text "5" at -93.125,-96.625 h4
Mechanical 19:
  text "Г(2)" at 95.625,155.25 h4
  text "6" at 340.625,-121.5 h3.5
Mechanical 20:
  text "Е-Е(2) негативное изображение" at 77.125,150.875 h4
  text "7" at 340.375,-121.75 h3.5
Mechanical 21:
  text "И-И(2) негативное изображение" at 94,152 h4
  text "9" at 340.5,-121.75 h3.5
Mechanical 23:
  text "К-К(2) негативное изображение" at 94.875,152.25 h4
  text "10" at 339.125,-121.625 h3.5
Mechanical 24:
  text "Ж-Ж(2) негативное изображение" at 140.75,151.625 h4
  text "8" at -93.125,-96.5 h4
Mechanical 25:
  text "К(2)" at 93.375,152.125 h5
  text "13" at 90.5,136.875 h2
  text "15" at 107,136.875 h2
  text "14" at 91.125,133.125 h2
  text "16" at 108,132.625 h2
Mechanical 26:
  text "Л(2)" at 96.375,151.75 h5

## Dimensions
2.5,140 to -0.125,137.5 on Mechanical 15
100,5 to 195,5 on Mechanical 15
5,5 to 195,5 on Mechanical 15
0,137.5 to 200,137.5 on Mechanical 15
197.5,0 to 197.5,140 on Mechanical 15
195,5 to 200,2.5 on Mechanical 15
2.5,0 to 5,5 on Mechanical 15
5,5 to 5,136 on Mechanical 15
271.125,140 to 265.138,139.921 on Mechanical 9
280.2,138.775 to 273.125,140 on Mechanical 9
282.862,20.054 to 273.25,-0.25 on Mechanical 9
271.1,0 to 257.125,16.5 on Mechanical 9
271,140 to 273,140 on Mechanical 15
271.1,0 to 273.2,0 on Mechanical 9

## Text inside footprints (layer, text, board x,y; h text height)
C1: Bottom Overlay, Bot Silk "+" at 170.144,11.823 h1; Mechanical 26 "+" at 169.285,11.31 h2
C85: Mechanical 26 "+" at 113.625,13.975 h2 r180
C88: Mechanical 26 "+" at 141.025,10.175 h2
C123: Mechanical 25 "+" at 79.875,27.85 h2 r180
C124: Mechanical 26 "+" at 65.625,10.725 h2 r180
D1: Top Overlay, Top Silk "192" at 123.54,43.767 h2 r180; Top Overlay, Top Silk "128" at 125.86,81.598 h2 r180; Top Overlay, Top Silk "65" at 160.791,81.548 h2 r180; Top Overlay, Top Silk "193" at 125.94,41.007 h2 r180; Top Overlay, Top Silk "129" at 123.56,78.647 h2 r180; Top Overlay, Top Silk "256" at 161.5,41.007 h2 r180; Top Overlay, Top Silk "64" at 163.441,78.597 h2 r180; Mechanical 25 "64" at 163.2,78.35 h2 r180; Mechanical 25 "256" at 161.8,41.407 h2 r180; Mechanical 25 "129" at 123.5,78.15 h2 r180; Mechanical 25 "193" at 126.24,41.407 h2 r180; Mechanical 25 "65" at 160.7,81.25 h2 r180; Mechanical 25 "128" at 126,81.05 h2 r180; Mechanical 25 "192" at 123.84,44.167 h2 r180
D2: Mechanical 25 "1" at 144.655,3.849 h2; Mechanical 25 "5" at 168.522,3.849 h2; Mechanical 25 "8" at 145.022,24.149 h2; Mechanical 25 "6" at 168.322,24.049 h2
D3: Mechanical 25 "5" at 178.8,6.175 h2 r270; Mechanical 25 "4" at 178.8,11.675 h2 r270; Mechanical 25 "1" at 186.3,11.425 h2 r270; Mechanical 25 "8" at 186.3,6.175 h2 r270
D4: Top Overlay, Top Silk "1" at 100.275,29.75 h1.31 r90; Top Overlay, Top Silk "2" at 105.9,29.75 h1.31 r90; Top Overlay, Top Silk "3" at 104.025,19.4 h1.31 r90; Mechanical 25 "3" at 105.15,20.4 h2 r90; Mechanical 25 "2" at 104.325,29.625 h2 r90; Mechanical 25 "1" at 98.575,29.75 h2 r90
D5: Top Overlay, Top Silk "1" at 100.2,19.15 h1.31 r90; Top Overlay, Top Silk "2" at 105.825,19.15 h1.31 r90; Top Overlay, Top Silk "3" at 105.85,8.925 h1.31 r90; Mechanical 25 "3" at 104.25,9.325 h2 r90; Mechanical 25 "2" at 105.15,18.4 h2 r90; Mechanical 25 "1" at 98.5,19.15 h2 r90
D6: Mechanical 26 "1" at 152.95,55.025 h2; Mechanical 26 "7" at 153.3,47.65 h2; Mechanical 26 "8" at 144.775,47.6 h2; Mechanical 26 "14" at 145.6,55.1 h2
D7: Bottom Overlay, Bot Silk "10" at 95.7,117.8 h1 r180; Bottom Overlay, Bot Silk "15" at 95.6,110.4 h1 r180; Bottom Overlay, Bot Silk "7" at 82.575,117.8 h1 r180; Bottom Overlay, Bot Silk "2" at 82.75,110.35 h1 r180; Mechanical 26 "10" at 93.55,116.625 h2 r180; Mechanical 26 "7" at 84.575,116.575 h2 r180; Mechanical 26 "2" at 84.625,111.675 h2 r180; Mechanical 26 "15" at 93.45,111.725 h2 r180
D8: Top Overlay, Top Silk "22" at 102.013,40.022 h1.5 r90; Top Overlay, Top Silk "66" at 85.884,66.946 h1.5 r90; Top Overlay, Top Silk "45" at 102.013,67.073 h1.5 r90; Top Overlay, Top Silk "1" at 85.63,41.038 h1.5 r90; Top Overlay, Top Silk "67" at 80.677,61.866 h1.5 r90; Top Overlay, Top Silk "44" at 107.093,61.866 h1.5 r90; Top Overlay, Top Silk "88" at 80.677,44.848 h1.5 r90; Top Overlay, Top Silk "23" at 107.347,44.721 h1.5 r90; Mechanical 25 "23" at 107.093,44.848 h2 r90; Mechanical 25 "88" at 80.423,44.975 h2 r90; Mechanical 25 "44" at 106.839,61.993 h2 r90; Mechanical 25 "67" at 80.423,61.993 h2 r90; Mechanical 25 "1" at 85.376,41.165 h2 r90; Mechanical 25 "45" at 101.759,67.2 h2 r90; Mechanical 25 "66" at 85.63,67.073 h2 r90; Mechanical 25 "22" at 101.759,40.149 h2 r90
D9: Top Overlay, Top Silk "10" at 24.825,23.325 h1; Top Overlay, Top Silk "15" at 24.725,30.725 h1; Top Overlay, Top Silk "7" at 11.7,23.325 h1; Top Overlay, Top Silk "2" at 11.875,30.775 h1; Mechanical 25 "10" at 22.675,24.5 h2; Mechanical 25 "7" at 13.7,24.55 h2; Mechanical 25 "2" at 13.75,29.45 h2; Mechanical 25 "15" at 22.575,29.4 h2
D10: Top Overlay, Top Silk "1" at 89.35,97.5 h2 r270; Top Overlay, Top Silk "37" at 97.025,95.575 h2 r270; Top Overlay, Top Silk "36" at 99.275,92.475 h2 r270; Top Overlay, Top Silk "28" at 99.325,80.6 h2 r270; Top Overlay, Top Silk "27" at 97.125,77.4 h2 r270; Top Overlay, Top Silk "16" at 82.825,77.125 h2 r270; Top Overlay, Top Silk "15" at 80.625,80.575 h2 r270; Top Overlay, Top Silk "7" at 80.525,91.575 h2 r270; Top Overlay, Top Silk "6" at 82.775,95.325 h2 r270; Mechanical 25 "28" at 97.3,82.325 h2 r270; Mechanical 25 "6" at 84.475,93.025 h2 r270; Mechanical 25 "7" at 83.125,89.475 h2 r270; Mechanical 25 "15" at 83.3,82.15 h2 r270; Mechanical 25 "16" at 84.7,79.425 h2 r270; Mechanical 25 "27" at 95.525,79.375 h2 r270; Mechanical 25 "36" at 97.1,90.075 h2 r270; Mechanical 25 "37" at 95.5,93.125 h2 r270; Mechanical 25 "1" at 89.675,93.125 h2 r270
D11: Top Overlay, Top Silk "10" at 95.325,109.2 h1; Top Overlay, Top Silk "15" at 95.225,116.6 h1; Top Overlay, Top Silk "7" at 82.2,109.2 h1; Top Overlay, Top Silk "2" at 82.375,116.65 h1; Mechanical 25 "10" at 93.175,110.375 h2; Mechanical 25 "7" at 84.2,110.425 h2; Mechanical 25 "2" at 84.25,115.325 h2; Mechanical 25 "15" at 93.075,115.275 h2
D12: Top Overlay, Top Silk "10" at 57.7,21.575 h1; Top Overlay, Top Silk "15" at 57.6,28.975 h1; Top Overlay, Top Silk "7" at 44.575,21.575 h1; Top Overlay, Top Silk "2" at 44.75,29.025 h1; Mechanical 25 "10" at 55.55,22.75 h2; Mechanical 25 "7" at 46.575,22.8 h2; Mechanical 25 "2" at 46.625,27.7 h2; Mechanical 25 "15" at 55.45,27.65 h2
D13: Mechanical 25 "6" at 137.763,24.049 h2; Mechanical 25 "8" at 114.463,24.149 h2; Mechanical 25 "5" at 137.963,3.849 h2; Mechanical 25 "1" at 114.095,3.849 h2
D14: Bottom Overlay, Bot Silk "1" at 98,75.125 h1.5 r270; Bottom Overlay, Bot Silk "10" at 83.25,74.25 h1.5 r270; Bottom Overlay, Bot Silk "11" at 83.125,93.625 h1.5 r270; Bottom Overlay, Bot Silk "20" at 97.75,93.25 h1.5 r270; Mechanical 26 "1" at 96.2,77.2 h2 r270; Mechanical 26 "10" at 85,77 h2 r270; Mechanical 26 "11" at 84.925,91.325 h2 r270; Mechanical 26 "20" at 96.225,91.075 h2 r270
D15: Mechanical 25 "1" at 85.873,20.912 h2 r180; Mechanical 25 "4" at 68.227,20.944 h2 r180; Mechanical 25 "5" at 68.003,9.372 h2 r180; Mechanical 25 "7" at 85.841,9.947 h2 r180
D16: Top Overlay, Top Silk "10" at 49.825,78.95 h1; Top Overlay, Top Silk "15" at 49.725,86.35 h1; Top Overlay, Top Silk "7" at 36.7,78.95 h1; Top Overlay, Top Silk "2" at 36.875,86.4 h1; Mechanical 25 "10" at 47.675,80.125 h2; Mechanical 25 "7" at 38.7,80.175 h2; Mechanical 25 "2" at 38.75,85.075 h2; Mechanical 25 "15" at 47.575,85.025 h2
D17: Mechanical 26 "14" at 38.175,86.675 h2; Mechanical 26 "8" at 37.35,79.175 h2; Mechanical 26 "7" at 45.875,79.225 h2; Mechanical 26 "1" at 45.525,86.6 h2
D18: Mechanical 25 "7" at 11.036,89.626 h2 r180; Mechanical 25 "8" at 6.845,89.499 h2 r180; Mechanical 25 "1" at 11.417,74.513 h2 r180; Mechanical 25 "14" at 7.607,74.64 h2 r180